# KiCad board px16_regfile.kicad_pcb (continued)
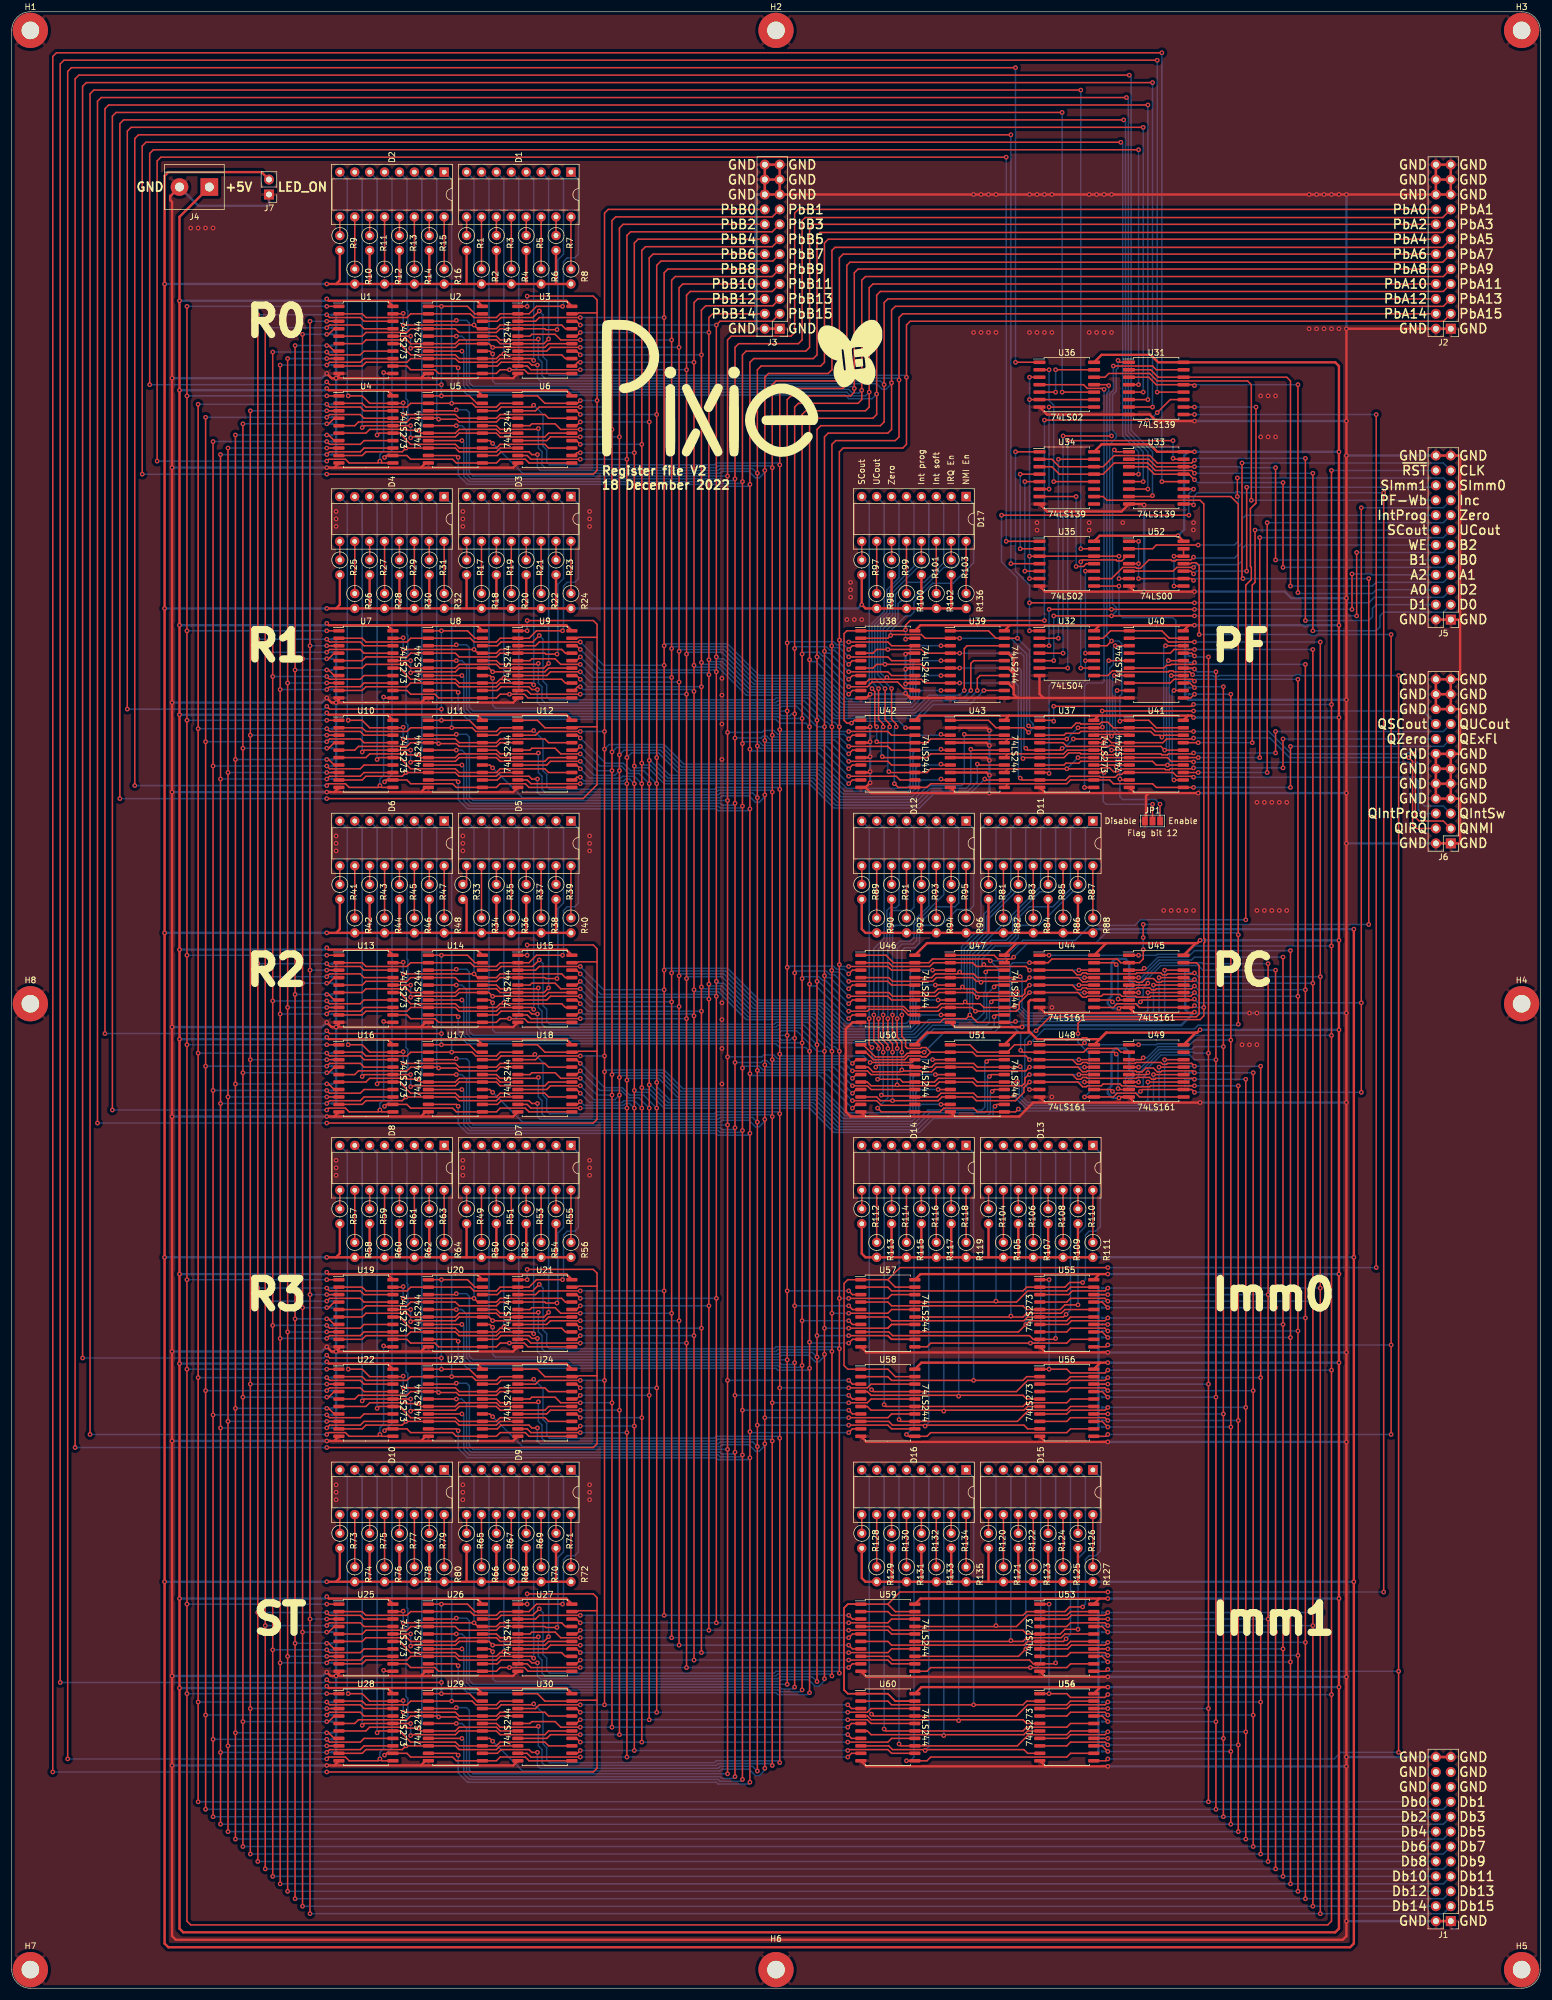
[diagram p0: board, top side]
## Routing (per net, layer and track width the routed paths; a pad name or vN(x,y) marks a point on that pad's centre or on a via; arc(x,y) is an arc through that point) (continued)
  Bottom w0.25: v1(201.45,167.32) 201.77,167.01 v1(203.04,167.01) ; v1(182.72,151.77) 183.51,152.56 183.51,159.15 181.61,161.06 v1(181.61,162.56)
/~{PF-OEa}: length 127.4
  Top w0.25: U38.19 152.4,229.87 v1(152.24,229.71) ; v1(195.1,268.29) 197.33,270.51 U31.11 ; v1(175.89,267.02) v1(193.36,267.02) ; v1(152.24,214.63) U42.19 ; v1(175.89,232.89) 153.04,232.89 152.24,232.09 v1(152.24,231.3) 152.08,231.14 U38.1 142.24,231.14 141.76,230.66 141.76,215.9 142.24,215.42 v1(143.03,215.42) 143.51,215.9 U42.1
  Bottom w0.25: v1(193.36,267.02) 193.83,267.02 v1(195.1,268.29) ; v1(152.24,231.3) v1(152.24,229.71) ; v1(143.03,215.42) 143.35,215.74 151.13,215.74 v1(152.24,214.63) ; v1(175.89,232.89) v1(175.89,267.02)
/~{PF-OEb}: length 104.1
  Top w0.25: v1(173.2,213.84) 172.4,214.63 U43.19 167.64,214.63 166.37,215.9 U43.1 ; U39.1 166.37,231.14 167.64,229.87 U39.19 v1(171.29,229.87) ; v1(168.59,250.83) v1(200.5,250.83) ; v1(201.29,255.27) U33.11
  Bottom w0.25: v1(201.29,255.27) 200.5,254.48 v1(200.5,250.83) ; v1(173.2,213.84) 173.99,214.63 173.99,215.27 173.35,215.9 173.35,227.81 v1(171.29,229.87) 171.29,240.19 168.59,242.89 v1(168.59,250.83)
/~{PF-Wa}: length 16.2
  Top w0.25: U40.19 197.17,229.87 195.9,231.14 U40.1 187.17,231.14 185.9,229.87 U32.13
/~{R0-OEa}: length 334.5
  Top w0.25: v1(53.66,273.53) 54.13,273.05 v1(73.18,273.05) ; U5.19 79.22,269.88 77.95,271.15 v1(73.18,271.15) U5.1 ; U2.1 v1(73.18,286.39) 77.63,286.39 78.9,285.12 U2.19 ; U31.4 v1(191.93,273.05) ; v1(23.5,273.05) 23.5,312.42 24.13,313.06 v1(191.93,313.06)
  Bottom w0.25: v1(73.18,286.39) v1(73.18,273.05) v1(73.18,271.15) ; v1(23.5,273.05) 53.18,273.05 v1(53.66,273.53) ; v1(191.93,273.05) v1(191.93,313.06)
/~{R0-OEb}: length 423.1
  Top w0.25: v1(188.91,314.33) 22.86,314.33 22.23,313.69 v1(22.23,257.81) ; 99.7,285.27 99.7,287.5 99.05,288.14 v1(87.79,288.14) ; 99.7,285.27 v1(99.7,270.35) 99.7,258.45 99.06,257.81 v1(53.66,257.81) ; 99.7,285.27 96.52,285.27 96.36,285.12 U3.19 ; U33.4 v1(191.93,257.81) ; U6.1 89.54,271.15 90.81,269.88 U6.19 96.36,269.88 v1(96.84,270.35) ; U3.1 v1(87.79,286.39)
  Bottom w0.25: v1(188.91,314.33) 189.23,314.01 189.23,264.32 191.93,261.62 v1(191.93,257.81) ; v1(99.7,270.35) v1(96.84,270.35) ; v1(53.66,257.81) v1(22.23,257.81) ; v1(87.79,286.39) v1(87.79,288.14)
/~{R0-WE}: length 19.3
  Top w0.25: v1(171.77,245.11) U35.2 ; U34.4 v1(171.77,257.81)
  Bottom w0.25: v1(171.77,257.81) v1(171.77,245.11)
/~{R1-OEa}: length 407.8
  Top w0.25: U11.1 v1(73.18,215.9) 77.95,215.9 79.22,214.63 U11.19 ; v1(73.18,217.81) 54.13,217.81 v1(53.66,218.28) ; U8.1 v1(73.18,231.14) 77.63,231.14 78.9,229.87 U8.19 ; v1(192.72,316.87) 20.32,316.87 19.68,316.23 v1(19.68,217.81) ; U31.5 v1(192.72,271.78)
  Bottom w0.25: v1(73.18,215.9) v1(73.18,217.81) v1(73.18,231.14) ; v1(192.72,271.78) v1(192.72,316.87) ; v1(19.68,217.81) 53.18,217.81 v1(53.66,218.28)
/~{R1-OEb}: length 495.1
  Top w0.25: v1(189.39,318.14) 19.05,318.14 18.42,317.5 v1(18.42,202.57) ; U12.1 89.54,215.9 90.81,214.63 U12.19 96.36,214.63 96.52,214.79 99.7,214.79 ; 99.7,214.79 99.7,230.03 ; 99.7,214.79 99.7,204.95 97.31,202.57 v1(53.66,202.57) ; 99.7,230.03 96.52,230.03 96.36,229.87 U9.19 ; 99.7,230.03 99.7,232.25 99.06,232.89 87.79,232.89 v1(87.79,232.89) ; U33.5 v1(192.72,256.54) ; U9.1 v1(87.79,231.14)
  Bottom w0.25: v1(189.39,318.14) 189.71,317.82 189.71,264.64 192.72,261.62 v1(192.72,256.54) ; v1(53.66,202.57) v1(18.42,202.57) ; v1(87.79,231.14) v1(87.79,232.89)
/~{R1-WE}: length 20.2
  Top w0.25: U35.5 v1(172.56,241.3) ; v1(172.56,256.54) U34.5
  Bottom w0.25: v1(172.56,241.3) v1(172.56,256.54)
/~{R2-OEa}: length 481.2
  Top w0.25: v1(53.66,163.04) 54.13,162.56 v1(73.18,162.56) ; U31.6 v1(193.52,270.51) ; U17.19 79.22,159.39 77.95,160.66 v1(73.18,160.66) U17.1 ; U14.1 v1(73.18,175.9) 77.63,175.9 78.9,174.63 U14.19 ; v1(15.88,162.56) 15.88,320.04 16.51,320.68 v1(193.52,320.68)
  Bottom w0.25: v1(53.66,163.04) 53.18,162.56 v1(15.88,162.56) ; v1(193.52,270.51) v1(193.52,320.68) ; v1(73.18,160.66) v1(73.18,162.56) v1(73.18,175.9)
/~{R2-OEb}: length 569.3
  Top w0.25: U15.1 v1(87.79,175.9) ; 99.7,174.78 96.52,174.78 96.36,174.63 U15.19 ; 99.7,174.78 99.7,177.01 99.05,177.65 v1(87.79,177.65) ; 99.7,174.78 99.7,159.54 ; U33.6 v1(193.52,255.27) ; v1(14.61,147.32) 14.61,321.31 15.24,321.95 v1(189.86,321.95) ; U18.1 89.54,160.66 90.81,159.39 U18.19 96.36,159.39 96.52,159.54 99.7,159.54 ; 99.7,159.54 99.7,147.96 99.06,147.32 v1(53.66,147.32)
  Bottom w0.25: v1(193.52,255.27) 193.52,261.62 190.18,264.95 190.18,321.63 v1(189.86,321.95) ; v1(87.79,175.9) v1(87.79,177.65) ; v1(53.66,147.32) v1(14.61,147.32)
/~{R2-WE}: length 23.3
  Top w0.25: v1(176.69,269.24) U36.8 ; U34.6 v1(176.69,255.27)
  Bottom w0.25: v1(176.69,255.27) v1(176.69,269.24)
/~{R3-OEa}: length 554.5
  Top w0.25: U20.1 v1(73.18,120.65) 77.63,120.65 78.9,119.38 U20.19 ; v1(53.66,107.79) 54.13,107.32 v1(73.18,107.32) ; U23.1 v1(73.18,105.41) 77.95,105.41 79.22,104.14 U23.19 ; v1(12.07,107.32) 12.07,323.85 12.7,324.49 v1(194.31,324.49) ; U31.7 v1(194.31,269.24)
  Bottom w0.25: v1(73.18,120.65) v1(73.18,107.32) v1(73.18,105.41) ; v1(12.07,107.32) 53.18,107.32 v1(53.66,107.79) ; v1(194.31,269.24) v1(194.31,324.49)
/~{R3-OEb}: length 642.3
  Top w0.25: v1(87.79,122.4) 99.05,122.4 99.7,121.76 99.7,119.54 ; U33.7 194.15,254 v1(194.31,254.16) ; U21.19 96.36,119.38 96.52,119.54 99.7,119.54 ; 99.7,119.54 99.7,104.3 ; 99.7,104.3 96.52,104.3 96.36,104.14 U24.19 90.81,104.14 89.54,105.41 U24.1 ; 99.7,104.3 99.7,92.71 99.06,92.08 v1(53.66,92.08) ; v1(190.34,325.75) 11.43,325.75 10.79,325.12 v1(10.79,92.08) ; U21.1 v1(87.79,120.65)
  Bottom w0.25: v1(194.31,254.16) 194.31,261.62 190.66,265.27 190.66,325.44 v1(190.34,325.75) ; v1(87.79,120.65) v1(87.79,122.4) ; v1(53.66,92.08) v1(10.79,92.08)
/~{R3-WE}: length 21.4
  Top w0.25: v1(181.29,242.09) 182.56,242.09 183.04,242.57 U35.11 ; v1(181.29,254) U34.7
  Bottom w0.25: v1(181.29,242.09) v1(181.29,254)
/~{RST}: length 1284.7
  Top w0.25: v1(176.69,65.41) U53.1 ; U4.1 v1(53.66,271.15) ; v1(177.48,218.28) 200.98,218.28 v1(201.29,218.6) ; v1(191.93,160.66) U49.1 ; U25.1 v1(53.66,65.41) ; U22.1 v1(53.66,105.41) ; v1(186.69,105.25) 186.21,104.78 180.34,104.78 179.7,105.41 v1(176.69,105.41) U56.1 ; U1.1 v1(53.66,286.39) ; v1(224.79,258.45) v1(224.79,218.6) v1(224.79,177.48) v1(224.79,162.24) v1(224.79,105.25) v1(224.79,50.01) 224.79,11.43 224.16,10.8 30.48,10.8 29.85,11.43 v1(29.85,50.17) v1(29.85,65.41) v1(29.85,105.41) v1(29.85,120.65) v1(29.85,160.66) v1(29.85,175.9) v1(29.85,215.9) v1(29.85,231.14) v1(29.85,271.15) v1(29.85,286.39) ; v1(176.68,175.9) 175.05,175.9 ; U19.1 v1(53.66,120.65) ; v1(191.93,175.9) 190.29,175.9 ; U54.1 v1(176.69,50.17) 179.7,50.17 180.34,49.53 186.21,49.53 v1(186.69,50.01) ; U55.1 v1(176.69,120.65) ; U37.1 177.32,215.9 v1(177.48,215.74) ; U48.1 182.4,160.66 v1(182.72,160.97) ; U28.1 v1(53.66,50.17) ; U7.1 v1(53.66,231.14) ; U10.1 v1(53.66,215.9) ; U16.1 v1(53.66,160.66) ; U13.1 v1(53.66,175.9)
  Bottom w0.25: v1(182.72,160.97) 183.04,160.66 v1(191.93,160.66) 194.94,160.66 195.1,160.81 200.02,160.81 201.45,162.24 v1(224.79,162.24) ; v1(53.66,65.41) v1(29.85,65.41) ; v1(53.66,175.9) v1(29.85,175.9) ; v1(53.66,271.15) v1(29.85,271.15) ; v1(53.66,286.39) v1(29.85,286.39) ; v1(176.69,65.41) v1(176.69,50.17) ; v1(53.66,160.66) v1(29.85,160.66) ; v1(224.79,258.45) J5.22 ; v1(53.66,231.14) v1(29.85,231.14) ; v1(53.66,215.9) v1(29.85,215.9) ; v1(176.69,120.65) v1(176.69,105.41) ; v1(176.68,175.9) v1(191.93,175.9) 194.94,175.9 195.1,176.05 200.02,176.05 201.45,177.48 v1(224.79,177.48) ; v1(186.69,105.25) v1(224.79,105.25) ; v1(201.29,218.6) v1(224.79,218.6) ; v1(177.48,215.74) v1(177.48,218.28) ; v1(53.66,120.65) v1(29.85,120.65) ; v1(186.69,50.01) v1(224.79,50.01) ; v1(53.66,50.17) v1(29.85,50.17) ; v1(53.66,105.41) v1(29.85,105.41)
/~{ST-OEa}: length 623.7
  Top w0.25: v1(195.1,328.3) 8.89,328.3 8.25,327.66 v1(8.25,52.07) ; U31.12 v1(195.1,271.78) ; U29.19 79.22,48.9 77.95,50.17 v1(73.18,50.17) U29.1 ; U26.19 78.9,64.14 77.63,65.41 v1(73.18,65.41) U26.1 ; v1(73.18,52.07) 54.13,52.07 v1(53.66,52.55)
  Bottom w0.25: v1(73.18,50.17) v1(73.18,52.07) v1(73.18,65.41) ; v1(195.1,271.78) v1(195.1,328.3) ; v1(53.66,52.55) 53.18,52.07 v1(8.25,52.07)
/~{ST-OEb}: length 714
  Top w0.25: v1(87.79,67.16) 99.05,67.16 99.7,66.52 99.7,64.29 ; U27.19 96.36,64.14 96.52,64.29 99.7,64.29 ; 99.7,49.05 96.52,49.05 96.36,48.9 U30.19 90.81,48.9 89.54,50.17 U30.1 ; 99.7,49.05 99.7,64.29 ; 99.7,49.05 99.7,37.47 99.06,36.83 v1(53.66,36.83) ; v1(195.9,329.57) 7.62,329.57 6.99,328.93 v1(6.99,36.83) ; U33.12 v1(195.9,256.54) ; U27.1 v1(87.79,65.41)
  Bottom w0.25: v1(53.66,36.83) v1(6.99,36.83) ; v1(87.79,65.41) v1(87.79,67.16) ; v1(195.9,256.54) v1(195.9,329.57)
/~{ST-WE}: length 27.9
  Top w0.25: U34.12 v1(177.48,256.54) ; v1(176.69,275.59) U36.2
  Bottom w0.25: v1(176.69,275.59) 176.69,270.35 177.48,269.56 v1(177.48,256.54)
Net-(D1-Pad9): length 3.2
  Top w0.25: R1.1 D1.9
Net-(D1-Pad10): length 8.9
  Top w0.25: R2.1 D1.10
Net-(D1-Pad11): length 3.2
  Top w0.25: R3.1 D1.11
Net-(D1-Pad12): length 8.9
  Top w0.25: R4.1 D1.12
Net-(D1-Pad13): length 3.2
  Top w0.25: 87.63,298.46 87.63,301.64
Net-(D1-Pad14): length 8.9
  Top w0.25: 90.17,292.75 90.17,301.64
Net-(D1-Pad15): length 3.2
  Top w0.25: R7.1 D1.15
Net-(D1-Pad16): length 8.9
  Top w0.25: R8.1 D1.16
Net-(D2-Pad9): length 3.2
  Top w0.25: R9.1 D2.9
Net-(D2-Pad10): length 8.9
  Top w0.25: R10.1 D2.10
Net-(D2-Pad11): length 3.2
  Top w0.25: R11.1 D2.11
Net-(D2-Pad12): length 8.9
  Top w0.25: R12.1 D2.12
Net-(D2-Pad13): length 3.2
  Top w0.25: R13.1 D2.13
Net-(D2-Pad14): length 8.9
  Top w0.25: R14.1 D2.14
Net-(D2-Pad15): length 3.2
  Top w0.25: R15.1 D2.15
Net-(D2-Pad16): length 8.9
  Top w0.25: R16.1 D2.16
Net-(D3-Pad9): length 3.2
  Top w0.25: R17.1 D3.9
Net-(D3-Pad10): length 8.9
  Top w0.25: R18.1 D3.10
Net-(D3-Pad11): length 3.2
  Top w0.25: R19.1 D3.11
Net-(D3-Pad12): length 8.9
  Top w0.25: R20.1 D3.12
Net-(D3-Pad13): length 3.2
  Top w0.25: 87.63,243.22 87.63,246.39
Net-(D3-Pad14): length 8.9
  Top w0.25: 90.17,237.5 90.17,246.39
Net-(D3-Pad15): length 3.2
  Top w0.25: R23.1 D3.15
Net-(D3-Pad16): length 8.9
  Top w0.25: R24.1 D3.16
Net-(D4-Pad9): length 3.2
  Top w0.25: R25.1 55.88,246.38
Net-(D4-Pad10): length 8.9
  Top w0.25: R26.1 58.42,246.38
Net-(D4-Pad11): length 3.2
  Top w0.25: R27.1 60.96,246.38
Net-(D4-Pad12): length 8.9
  Top w0.25: R28.1 63.5,246.38
Net-(D4-Pad13): length 3.2
  Top w0.25: R29.1 66.04,246.38
Net-(D4-Pad14): length 8.9
  Top w0.25: R30.1 68.58,246.38
Net-(D4-Pad15): length 3.2
  Top w0.25: R31.1 71.12,246.38
Net-(D4-Pad16): length 8.9
  Top w0.25: R32.1 73.66,246.38
Net-(D5-Pad9): length 3.2
  Top w0.25: 77.47,187.96 D5.9
Net-(D5-Pad10): length 8.9
  Top w0.25: R34.1 D5.10
Net-(D5-Pad11): length 3.2
  Top w0.25: R35.1 D5.11
Net-(D5-Pad12): length 8.9
  Top w0.25: R36.1 D5.12
Net-(D5-Pad13): length 3.2
  Top w0.25: 87.63,187.97 87.63,191.15
Net-(D5-Pad14): length 8.9
  Top w0.25: 90.17,182.26 90.17,191.15
Net-(D5-Pad15): length 3.2
  Top w0.25: R39.1 D5.15
Net-(D5-Pad16): length 8.9
  Top w0.25: R40.1 D5.16
Net-(D6-Pad9): length 3.2
  Top w0.25: R41.1 D6.9
Net-(D6-Pad10): length 8.9
  Top w0.25: R42.1 D6.10
Net-(D6-Pad11): length 3.2
  Top w0.25: R43.1 D6.11
Net-(D6-Pad12): length 8.9
  Top w0.25: R44.1 D6.12
Net-(D6-Pad13): length 3.2
  Top w0.25: R45.1 D6.13
Net-(D6-Pad14): length 8.9
  Top w0.25: R46.1 D6.14
Net-(D6-Pad15): length 3.2
  Top w0.25: R47.1 D6.15
Net-(D6-Pad16): length 8.9
  Top w0.25: R48.1 D6.16
Net-(D7-Pad9): length 3.2
  Top w0.25: R49.1 D7.9
Net-(D7-Pad10): length 8.9
  Top w0.25: R50.1 D7.10
Net-(D7-Pad11): length 3.2
  Top w0.25: R51.1 D7.11
Net-(D7-Pad12): length 8.9
  Top w0.25: R52.1 D7.12
Net-(D7-Pad13): length 3.2
  Top w0.25: 87.63,132.73 87.63,135.9
Net-(D7-Pad14): length 8.9
  Top w0.25: 90.17,127.01 90.17,135.9
Net-(D7-Pad15): length 3.2
  Top w0.25: R55.1 D7.15
Net-(D7-Pad16): length 8.9
  Top w0.25: R56.1 D7.16
Net-(D8-Pad9): length 3.2
  Top w0.25: R57.1 D8.9
Net-(D8-Pad10): length 8.9
  Top w0.25: R58.1 D8.10
Net-(D8-Pad11): length 3.2
  Top w0.25: R59.1 D8.11
Net-(D8-Pad12): length 8.9
  Top w0.25: R60.1 D8.12
Net-(D8-Pad13): length 3.2
  Top w0.25: R61.1 D8.13
Net-(D8-Pad14): length 8.9
  Top w0.25: R62.1 D8.14
Net-(D8-Pad15): length 3.2
  Top w0.25: R63.1 D8.15
Net-(D8-Pad16): length 8.9
  Top w0.25: R64.1 D8.16
Net-(D9-Pad9): length 3.2
  Top w0.25: R65.1 D9.9
Net-(D9-Pad10): length 8.9
  Top w0.25: R66.1 D9.10
Net-(D9-Pad11): length 3.2
  Top w0.25: R67.1 D9.11
Net-(D9-Pad12): length 8.9
  Top w0.25: R68.1 D9.12
Net-(D9-Pad13): length 3.2
  Top w0.25: 87.63,77.48 87.63,80.66
Net-(D9-Pad14): length 8.9
  Top w0.25: 90.17,71.77 90.17,80.66
Net-(D9-Pad15): length 3.2
  Top w0.25: R71.1 D9.15
Net-(D9-Pad16): length 8.9
  Top w0.25: R72.1 D9.16
Net-(D10-Pad9): length 3.2
  Top w0.25: R73.1 D10.9
Net-(D10-Pad10): length 8.9
  Top w0.25: R74.1 D10.10
Net-(D10-Pad11): length 3.2
  Top w0.25: R75.1 D10.11
Net-(D10-Pad12): length 8.9
  Top w0.25: R76.1 D10.12
Net-(D10-Pad13): length 3.2
  Top w0.25: R77.1 D10.13
Net-(D10-Pad14): length 8.9
  Top w0.25: R78.1 D10.14
Net-(D10-Pad15): length 3.2
  Top w0.25: R79.1 D10.15
Net-(D10-Pad16): length 8.9
  Top w0.25: R80.1 D10.16
Net-(D11-Pad9): length 3.2
  Top w0.25: R81.1 D11.9
Net-(D11-Pad10): length 8.9
  Top w0.25: R82.1 D11.10
Net-(D11-Pad11): length 3.2
  Top w0.25: R83.1 D11.11
Net-(D11-Pad12): length 8.9
  Top w0.25: R84.1 D11.12
Net-(D11-Pad13): length 3.2
  Top w0.25: 176.53,187.97 176.53,191.15
Net-(D11-Pad14): length 8.9
  Top w0.25: 179.07,182.26 179.07,191.15
Net-(D11-Pad15): length 3.2
  Top w0.25: R87.1 D11.15
Net-(D11-Pad16): length 8.9
  Top w0.25: R88.1 D11.16
Net-(D12-Pad9): length 3.2
  Top w0.25: R89.1 D12.9
Net-(D12-Pad10): length 8.9
  Top w0.25: R90.1 D12.10
Net-(D12-Pad11): length 3.2
  Top w0.25: R91.1 D12.11
Net-(D12-Pad12): length 8.9
  Top w0.25: R92.1 D12.12
Net-(D12-Pad13): length 3.2
  Top w0.25: R93.1 D12.13
Net-(D12-Pad14): length 8.9
  Top w0.25: R94.1 D12.14
Net-(D12-Pad15): length 3.2
  Top w0.25: R95.1 D12.15
Net-(D12-Pad16): length 8.9
  Top w0.25: R96.1 D12.16
Net-(D13-Pad9): length 3.2
  Top w0.25: R104.1 D13.9
Net-(D13-Pad10): length 8.9
  Top w0.25: R105.1 D13.10
Net-(D13-Pad11): length 3.2
  Top w0.25: R106.1 D13.11
Net-(D13-Pad12): length 8.9
  Top w0.25: R107.1 D13.12
Net-(D13-Pad13): length 3.2
  Top w0.25: 176.53,132.73 176.53,135.9
Net-(D13-Pad14): length 8.9
  Top w0.25: 179.07,127.01 179.07,135.9
Net-(D13-Pad15): length 3.2
  Top w0.25: R110.1 D13.15
Net-(D13-Pad16): length 8.9
  Top w0.25: R111.1 D13.16
Net-(D14-Pad9): length 3.2
  Top w0.25: R112.1 D14.9
Net-(D14-Pad10): length 8.9
  Top w0.25: R113.1 D14.10
Net-(D14-Pad11): length 3.2
  Top w0.25: R114.1 D14.11
Net-(D14-Pad12): length 8.9
  Top w0.25: R115.1 D14.12
Net-(D14-Pad13): length 3.2
  Top w0.25: R116.1 D14.13
Net-(D14-Pad14): length 8.9
  Top w0.25: R117.1 D14.14
Net-(D14-Pad15): length 3.2
  Top w0.25: R118.1 D14.15
Net-(D14-Pad16): length 8.9
  Top w0.25: R119.1 D14.16
Net-(D15-Pad9): length 3.2
  Top w0.25: R120.1 D15.9
Net-(D15-Pad10): length 8.9
  Top w0.25: R121.1 D15.10
Net-(D15-Pad11): length 3.2
  Top w0.25: R122.1 D15.11
Net-(D15-Pad12): length 8.9
  Top w0.25: R123.1 D15.12
Net-(D15-Pad13): length 3.2
  Top w0.25: 176.53,77.48 176.53,80.66
Net-(D15-Pad14): length 8.9
  Top w0.25: 179.07,71.77 179.07,80.66
Net-(D15-Pad15): length 3.2
  Top w0.25: R126.1 D15.15
Net-(D15-Pad16): length 8.9
  Top w0.25: R127.1 D15.16
Net-(D16-Pad9): length 3.2
  Top w0.25: R128.1 D16.9
Net-(D16-Pad10): length 8.9
  Top w0.25: R129.1 D16.10
Net-(D16-Pad11): length 3.2
  Top w0.25: R130.1 D16.11
Net-(D16-Pad12): length 8.9
  Top w0.25: R131.1 D16.12
Net-(D16-Pad13): length 3.2
  Top w0.25: R132.1 D16.13
Net-(D16-Pad14): length 8.9
  Top w0.25: R133.1 D16.14
Net-(D16-Pad15): length 3.2
  Top w0.25: R134.1 D16.15
Net-(D16-Pad16): length 8.9
  Top w0.25: R135.1 D16.16
Net-(D17-Pad9): length 3.2
  Top w0.25: R97.1 D17.9
Net-(D17-Pad10): length 8.9
  Top w0.25: R98.1 D17.10
Net-(D17-Pad11): length 3.2
  Top w0.25: R99.1 D17.11
Net-(D17-Pad12): length 8.9
  Top w0.25: R100.1 D17.12
Net-(D17-Pad13): length 3.2
  Top w0.25: R101.1 D17.13
Net-(D17-Pad14): length 8.9
  Top w0.25: R102.1 D17.14
Net-(D17-Pad15): length 3.2
  Top w0.25: R103.1 D17.15
Net-(D17-Pad16): length 8.9
  Top w0.25: R136.1 D17.16
Net-(JP1-Pad2): length 18.2
  Top w0.25: v1(186.05,207.01) U37.13 ; v1(194.31,201.61) JP1.2
  Bottom w0.25: v1(194.31,201.61) 186.37,201.61 185.9,202.09 185.9,206.85 v1(186.05,207.01)
Net-(U32-Pad9): length 29.1
  Top w0.25: U52.3 189.86,243.84 189.07,243.05 188.28,243.05 188.12,243.21 182.4,243.21 v1(182.09,242.89) ; U32.9 v1(182.09,224.79)
  Bottom w0.25: v1(182.09,224.79) v1(182.09,242.89)
Net-(U32-Pad10): length 28.1
  Top w0.25: v1(176.69,206.85) 176.53,207.01 U37.8 ; v1(182.88,226.06) U32.10
  Bottom w0.25: v1(182.88,226.06) 182.88,222.57 182.56,222.25 177.16,222.25 176.69,221.77 v1(176.69,206.85)
Net-(U32-Pad11): length 16.9
  Top w0.25: v1(182.88,241.3) U35.10 ; U32.11 v1(182.88,227.33)
  Bottom w0.25: v1(182.88,227.33) v1(182.88,241.3)
Net-(U35-Pad12): length 69.4
  Top w0.25: v1(188.59,240.03) U52.6 ; v1(173.35,270.51) U36.6 U36.9 ; v1(173.35,274.32) U36.3 ; v1(188.59,243.84) U35.12 U35.3 v1(173.35,243.84) ; U35.6 v1(173.35,240.03)
  Bottom w0.25: v1(173.35,274.32) v1(173.35,270.51) v1(173.35,243.84) v1(173.35,240.03) ; v1(188.59,240.03) v1(188.59,243.84)
Net-(U36-Pad13): length 13.1
  Top w0.25: v1(177.8,275.59) U36.13 ; U36.5 v1(177.8,271.78)
  Bottom w0.25: v1(177.8,271.78) v1(177.8,275.59)
Net-(U44-Pad15): length 11.8
  Top w0.25: v1(188.44,168.43) 188.59,168.28 190.29,168.28 ; v1(188.12,174.31) 187.8,174.63 U44.15
  Bottom w0.25: v1(188.12,174.31) 188.44,173.99 v1(188.44,168.43)
Net-(U45-Pad15): length 53.1
  Top w0.25: U48.7 v1(173.35,153.04) ; U45.15 201.77,174.63 202.25,174.15 202.25,165.89 201.77,165.42 176.84,165.42 v1(174.47,163.04)
  Bottom w0.25: v1(173.35,153.04) 172.56,153.83 172.56,161.45 174.15,163.04 v1(174.47,163.04)
Net-(U48-Pad15): length 11.8
  Top w0.25: 184.35,159.39 187.8,159.39 v1(188.12,159.07) ; v1(188.44,153.19) 188.59,153.04 U49.7
  Bottom w0.25: v1(188.12,159.07) 188.44,158.75 v1(188.44,153.19)
Net-(U52-Pad12): length 9.6
  Top w0.25: v1(197.96,238.76) U52.8 ; U52.13 U52.12 v1(197.96,243.84)
  Bottom w0.25: v1(197.96,243.84) v1(197.96,238.76)

## Copper pours and planes (outline as drawn; the poured copper is in the pictures)
GND on Top: 262.25,-1.9 -1.9,-1.9 -1.9,338.46 262.25,338.46
GND on Bottom: 262.89,-2.54 -2.54,-2.54 -2.54,339.09 262.89,339.09

## Text on the board
B.Silkscreen: GND | +5V | GND / GND / GND / PbB0 / PbB2 / PbB4 / PbB6 / PbB8 / PbB10 / PbB12 / PbB14 / GND | GND / ~{RST} / SImm1 / PF-Wb / IntProg / SCout / WE / B1 / A2 / A0 / D1 / GND | GND / GND / GND / PbA0 / PbA2 / PbA4 / PbA6 / PbA8 / PbA10 / PbA12 / PbA14 / GND | GND / GND / GND / QSCout / QZero / GND / GND / GND / GND / QIntProg / QIRQ / GND | GND / GND / GND / Db0 / Db2 / Db4 / Db6 / Db8 / Db10 / Db12 / Db14 / GND | GND / GND / GND / PbB1 / PbB3 / PbB5 / PbB7 / PbB9 / PbB11 / PbB13 / PbB15 / GND | GND / CLK / SImm0 / Inc / Zero / UCout / B2 / B0 / A1 / D2 / D0 / GND | GND / GND / GND / PbA1 / PbA3 / PbA5 / PbA7 / PbA9 / PbA11 / PbA13 / PbA15 / GND | GND / GND / GND / QUCout / QExFl / GND / GND / GND / GND / QIntSw / QNMI / GND | GND / GND / GND / Db1 / Db3 / Db5 / Db7 / Db9 / Db11 / Db13 / Db15 / GND
F.Silkscreen: 74LS02 | 74LS139 | 74LS04 | 74LS161 | U56 | 74LS00 | SCout | UCout | Zero | Int prog | Int soft | IRQ En | NMI En | 74LS244 | 74LS273 | +5V | LED_ON | Register file V2 / 18 December 2022 | GND | GND / GND / GND / PbB1 / PbB3 / PbB5 / PbB7 / PbB9 / PbB11 / PbB13 / PbB15 / GND | GND / GND / GND / PbA1 / PbA3 / PbA5 / PbA7 / PbA9 / PbA11 / PbA13 / PbA15 / GND | GND / CLK / SImm0 / Inc / Zero / UCout / B2 / B0 / A1 / D2 / D0 / GND | GND / GND / GND / QUCout / QExFl / GND / GND / GND / GND / QIntSw / QNMI / GND | GND / GND / GND / Db1 / Db3 / Db5 / Db7 / Db9 / Db11 / Db13 / Db15 / GND | GND / GND / GND / PbB0 / PbB2 / PbB4 / PbB6 / PbB8 / PbB10 / PbB12 / PbB14 / GND | GND / GND / GND / PbA0 / PbA2 / PbA4 / PbA6 / PbA8 / PbA10 / PbA12 / PbA14 / GND | GND / ~{RST} / SImm1 / PF-Wb / IntProg / SCout / WE / B1 / A2 / A0 / D1 / GND | GND / GND / GND / QSCout / QZero / GND / GND / GND / GND / QIntProg / QIRQ / GND | GND / GND / GND / Db0 / Db2 / Db4 / Db6 / Db8 / Db10 / Db12 / Db14 / GND | PF | PC | Imm0 | Imm1 | R0 | R1 | R2 | R3 | ST
